# Altium PCB pcb_v1.PcbDoc (part 1 of 5) (continued)
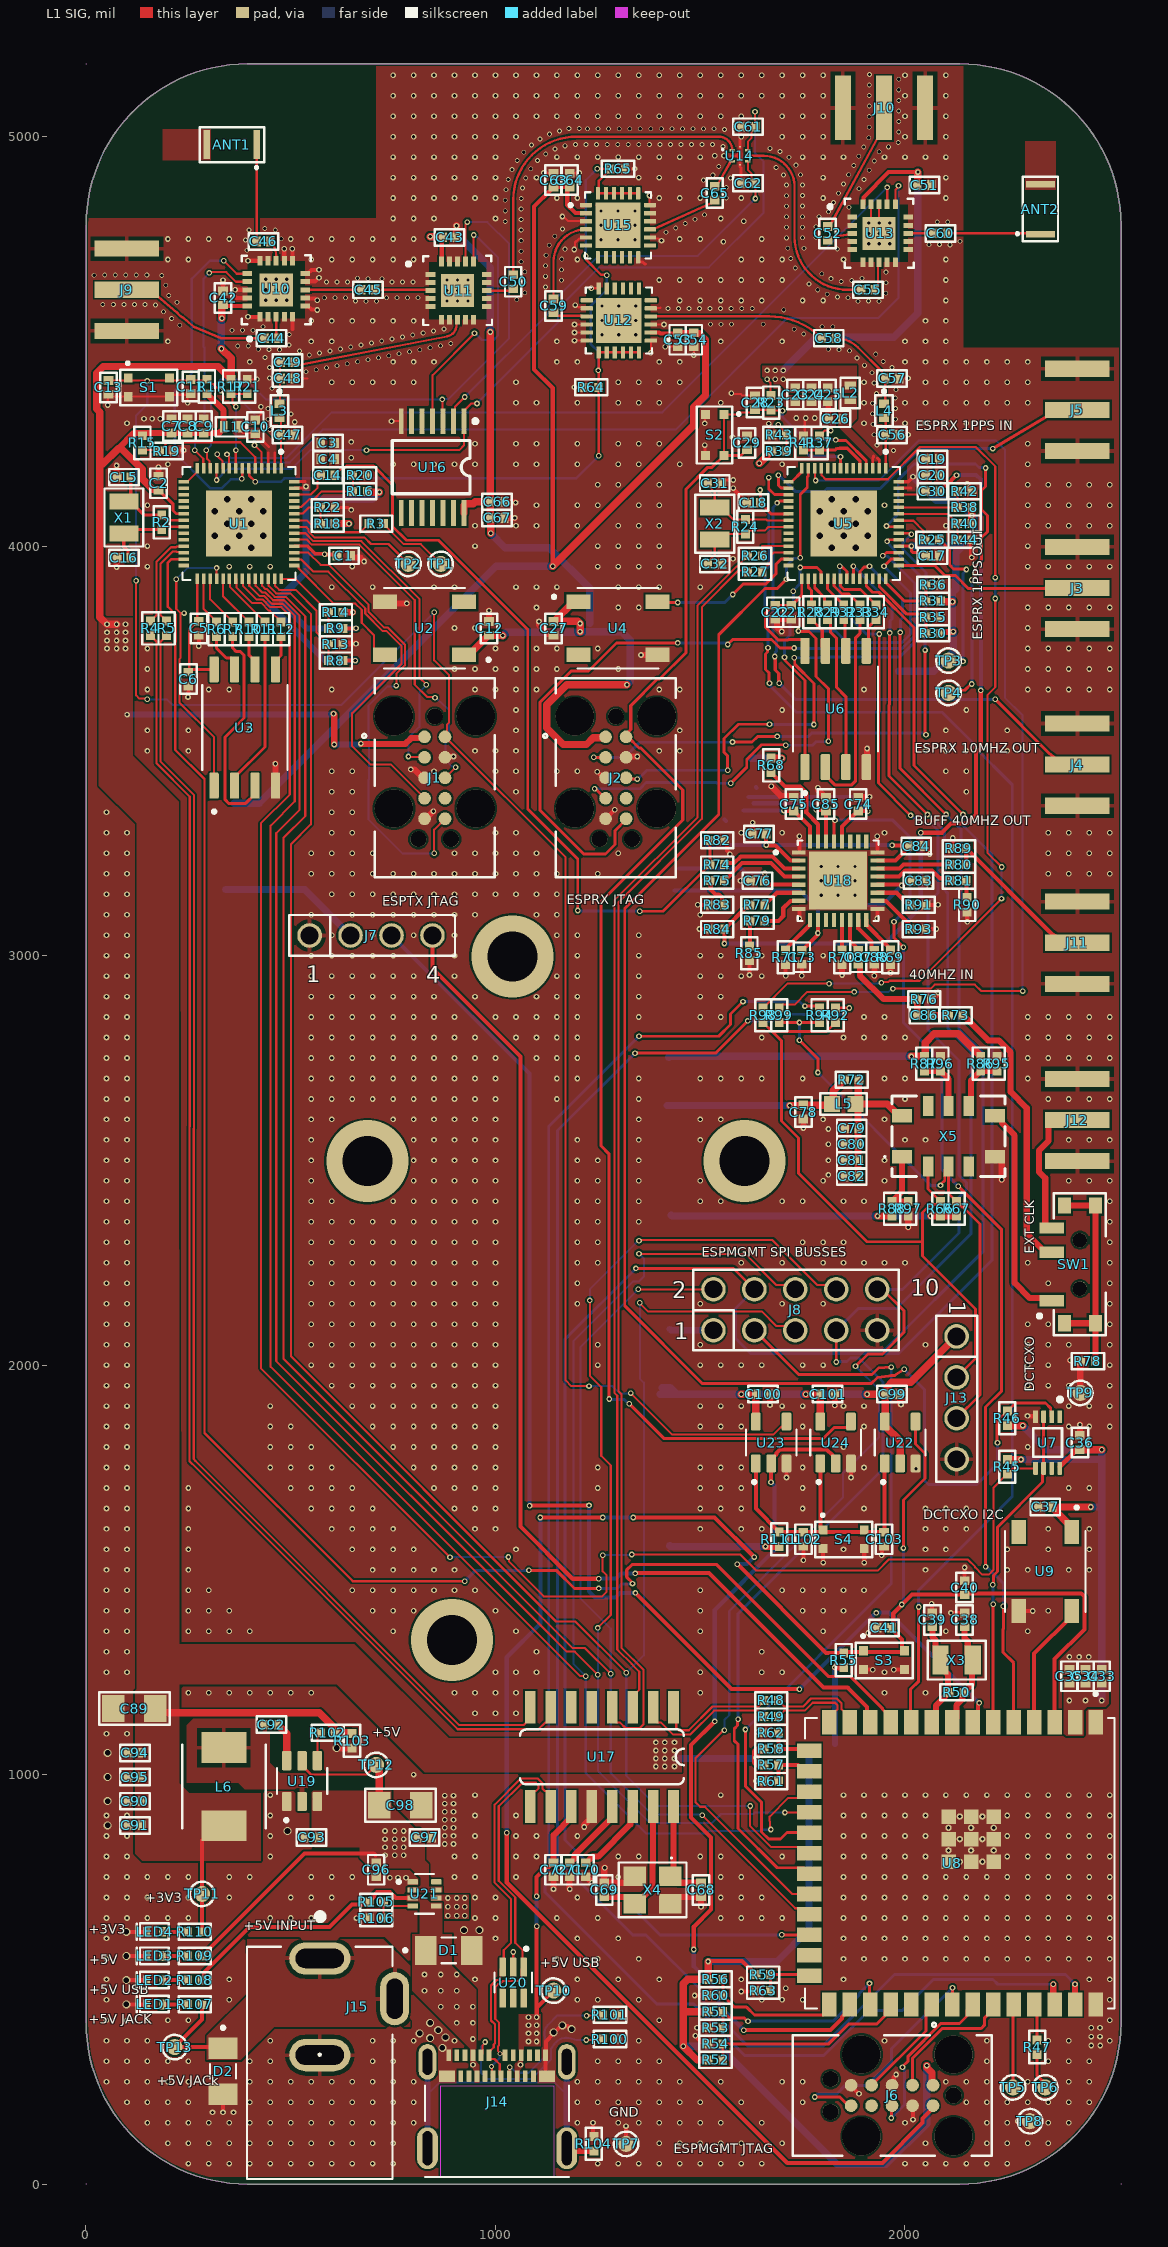
[diagram p0: L1 SIG view]
## Part data (continued)
C15 C16 C31 C32 C38 C39: library part CAP_CC0402JRNPO9BN220, "0402 22 pF 50 V ±5 % Tolerance NP0 SMT Multilayer Ceramic Capacitor", Case Code (Imperial)=0402, Case Code (Metric)=1005, Dielectric=C0G, Dielectric Material=Ceramic, Insulation Resistance=100GR, Manufacturer=Yageo, Manufacturer Part Number=CC0402JRNPO9BN220, Max Operating Temperature=125°C, Min Operating Temperature=-55°C, Package Quantity=1, Supplier Part Number 1=311-1018-1-ND, Temperature Coefficient=30ppm/°C, Tolerance=5%, Voltage=50V, Capacitance=22pF, Case/Package=0402, Category="Ceramic Capacitors", ComponentLink1Description=https://datasheet.ciiva.com/143/mlccorderingcode-143986.pdf?src-supplier=Digi-Key, ComponentLink1URL=https://datasheet.ciiva.com/143/mlccorderingcode-143986.pdf?src-supplier=Digi-Key, ComponentLink2Description=https://datasheet.ciiva.com/143/mlccorderingcode-143987.pdf?src-supplier=Digi-Key, ComponentLink2URL=https://datasheet.ciiva.com/143/mlccorderingcode-143987.pdf?src-supplier=Digi-Key, ComponentLink3Description=https://datasheet.ciiva.com/143/mlccorderingcode-143988.pdf?src-supplier=Digi-Key, ComponentLink3URL=https://datasheet.ciiva.com/143/mlccorderingcode-143988.pdf?src-supplier=Digi-Key, ComponentLink4Description=https://datasheet.ciiva.com/5789/1443161-5789509.pdf?src-supplier=Farnell, ComponentLink4URL=https://datasheet.ciiva.com/5789/1443161-5789509.pdf?src-supplier=Farnell, ComponentLink5Description=https://datasheet.ciiva.com/5425/upy-gp-np0-16v-to-50v-8-5425483.pdf?src-supplier=Mouser, ComponentLink5URL=https://datasheet.ciiva.com/5425/upy-gp-np0-16v-to-50v-8-5425483.pdf?src-supplier=Mouser, ComponentLink6Description=https://datasheet.ciiva.com/15189/getdatasheetpartid-370074-15189117.pdf?src-supplier=Verical, ComponentLink6URL=https://datasheet.ciiva.com/15189/getdatasheetpartid-370074-15189117.pdf?src-supplier=Verical, ComponentLink7Description=https://datasheet.ciiva.com/7656/1132289-7656615.pdf?src-supplier=Element14, ComponentLink7URL=https://datasheet.ciiva.com/7656/1132289-7656615.pdf?src-supplier=Element14, ComponentLink8Description=https://datasheet.ciiva.com/16625/upy-gp-np0-16v-to-50v-8-16625509.pdf?src-supplier=Avnet+Europe, ComponentLink8URL=https://datasheet.ciiva.com/16625/upy-gp-np0-16v-to-50v-8-16625509.pdf?src-supplier=Avnet+Europe, ComponentLink9Description=https://datasheet.ciiva.com/8033/1443161-8033605.pdf?src-supplier=Element14, ComponentLink9URL=https://datasheet.ciiva.com/8033/1443161-8033605.pdf?src-supplier=Element14, ComponentLink10Description=https://datasheet.ciiva.com/8033/1443161-8033606.pdf?src-supplier=Element14, ComponentLink10URL=https://datasheet.ciiva.com/8033/1443161-8033606.pdf?src-supplier=Element14, ComponentLink11Description=https://datasheet.ciiva.com/8033/1443161-8033607.pdf?src-supplier=Element14, ComponentLink11URL=https://datasheet.ciiva.com/8033/1443161-8033607.pdf?src-supplier=Element14, Depth=0.5mm, Height=0.5mm, Lead Free="Lead Free", Length=1mm, Mount="Surface Mount", Number of Pins=2, Packaging="Tape and Reel", Pricing 1="1=0.10000, 10=0.02200, 50=0.01180, 100=0.00960, 500=0.00688, 1000=0.00541, 2500=0.00492, 5000=0.00452 (USD)", Radiation Hardening=No, REACH SVHC="No SVHC", Resistor Type=Ceramic, RoHS=Yes, RoHS Compliant=Yes, Series=CC, Stock 1=1052, Supplier 1=Digi-Key, Termination=SMD/SMT, Thickness=0.022inch, Voltage Rating=50V, Voltage Rating (DC)=50V, Width=0.02inch
C44 C45 C46 C49 C50 C52 C55 C58 C59 C60 C65: library part CAP_CC0402JRNPO9BN101, "0402 100 pF 50 V ±5 % Tolerance NP0 SMT Multilayer Ceramic Capacitor", Case Code (Imperial)=0402, Case Code (Metric)=1005, Dielectric=C0G, Dielectric Material=Ceramic, Insulation Resistance=100GR, Manufacturer=Yageo, Manufacturer Part Number=CC0402JRNPO9BN101, Max Operating Temperature=125°C, Min Operating Temperature=-55°C, Package Quantity=1, Supplier Part Number 1=311-1024-1-ND, Temperature Coefficient=30ppm/°C, Tolerance=5%, Voltage=50V, Case/Package=0402, Category="Ceramic Capacitors", ComponentLink1Description=https://datasheet.ciiva.com/23767/25787-23767888.pdf?src-supplier=Newark, ComponentLink1URL=https://datasheet.ciiva.com/23767/25787-23767888.pdf?src-supplier=Newark, ComponentLink2Description=https://datasheet.ciiva.com/11786/0900766b80d84fbf-11786101.pdf?src-supplier=Rs, ComponentLink2URL=https://datasheet.ciiva.com/11786/0900766b80d84fbf-11786101.pdf?src-supplier=Rs, ComponentLink3Description=https://datasheet.ciiva.com/28450/1443161-28450220.pdf?src-supplier=Element14, ComponentLink3URL=https://datasheet.ciiva.com/28450/1443161-28450220.pdf?src-supplier=Element14, ComponentLink4Description=https://datasheet.ciiva.com/8033/1443161-8033598.pdf?src-supplier=Element14, ComponentLink4URL=https://datasheet.ciiva.com/8033/1443161-8033598.pdf?src-supplier=Element14, ComponentLink5Description=https://datasheet.ciiva.com/143/mlccorderingcode-143990.pdf?src-supplier=Digi-Key, ComponentLink5URL=https://datasheet.ciiva.com/143/mlccorderingcode-143990.pdf?src-supplier=Digi-Key, ComponentLink6Description=https://datasheet.ciiva.com/143/mlccorderingcode-143989.pdf?src-supplier=Digi-Key, ComponentLink6URL=https://datasheet.ciiva.com/143/mlccorderingcode-143989.pdf?src-supplier=Digi-Key, ComponentLink7Description=https://datasheet.ciiva.com/143/mlccorderingcode-143991.pdf?src-supplier=Digi-Key, ComponentLink7URL=https://datasheet.ciiva.com/143/mlccorderingcode-143991.pdf?src-supplier=Digi-Key, Depth=0.5mm, Height=0.5mm, Lead Free="Lead Free", Length=1mm, Mounting Technology="Surface Mount", Packaging="Tape and Reel", Pins=2, Pricing 1="1=0.1, 10=0.017, 50=0.0096, 100=0.0078, 500=0.00554, 1000=0.00436, 2500=0.00396, 5000=0.00365 (USD)", Radiation Hardening=No, Reach SVHC Compliant=No, RoHS=Yes, RoHS Compliant=Yes, Series=CC, Stock 1=12718535, Supplier 1=Digi-Key, Termination=SMD/SMT, Thickness=0.022inch, Voltage Rating=50V, Voltage Rating (DC)=50V, Width=0.02inch
C47 C56: library part CAP_GJM1555C1H9R0WB01D, "Cap Ceramic 9pF 50V C0G 0.05pF SMD 0402 125°C Paper T/R", Case Code (Imperial)=0402, Case Code (Metric)=1005, Dielectric=C0G, Manufacturer=Murata, Manufacturer Part Number=GJM1555C1H9R0WB01D, Max Operating Temperature=125°C, Min Operating Temperature=-55°C, Package Quantity=10000, Supplier Part Number 1=490-11242-1-ND, Voltage Rating=50V, Case/Package=0402, Category="Ceramic Capacitors", ComponentLink1Description=https://datasheet.ciiva.com/169/product-169670.pdf?src-supplier=Digi-Key, ComponentLink1URL=https://datasheet.ciiva.com/169/product-169670.pdf?src-supplier=Digi-Key, ComponentLink2Description=https://datasheet.ciiva.com/11609/product-11609469.pdf?src-supplier=Avnet, ComponentLink2URL=https://datasheet.ciiva.com/11609/product-11609469.pdf?src-supplier=Avnet, Construction=Flat, Depth=0.5mm, Height=0.5mm, Length=1mm, Mounting Technology="Surface Mount", Packaging="Tape and Reel", Pricing 1="1=0.19, 10=0.131, 50=0.0786, 100=0.0664, 500=0.04542, 1000=0.04019, 2500=0.03844, 5000=0.03495 (USD)", Radiation Hardening=No, RoHS=Yes, RoHS Compliant=Yes, Series=GJM, Stock 1=62783, Supplier 1=Digi-Key, Termination=SMD/SMT, Thickness=0.022inch, Voltage Rating (DC)=50V, Width=0.02inch
C48 C57: library part CAP_CBR04C809B1GAC, "Cap Ceramic 8pF 100V C0G 0.1pF SMD 0402 125°C Punched Paper T/R", Case Code (Imperial)=0402, Case Code (Metric)=1005, Manufacturer=KEMET, Manufacturer Part Number=CBR04C809B1GAC, Max Operating Temperature=125°C, Min Operating Temperature=-55°C, Package Quantity=1, Supplier Part Number 1=399-8830-1-ND, Voltage Rating=100V, Case/Package=0402, Category="Ceramic Capacitors", ComponentLink1Description=https://datasheet.ciiva.com/6257/kem-c1030-cbr-smd-6257486.pdf?src-supplier=Digi-Key, ComponentLink1URL=https://datasheet.ciiva.com/6257/kem-c1030-cbr-smd-6257486.pdf?src-supplier=Digi-Key, Length=0.039inch, Mounting Technology="Surface Mount", Packaging="Cut Tape", Pricing 1="1=0.31, 10=0.214, 50=0.1426, 100=0.1212, 500=0.08556, 1000=0.07487, 2500=0.0713, 5000=0.06596 (USD)", RoHS=Yes, RoHS Compliant=Yes, Series=CBR, Stock 1=120216, Supplier 1=Digi-Key, Thickness=0.022inch, Voltage Rating (DC)=100V, Width=0.02inch
C61 C62: library part CAP_CL05C330JB5NNNC, "Ceramic capacitor SMD-0402 33pF /50V C0G# J +-5%, Samsung, RoHS", Case Code (Imperial)=0402, Case Code (Metric)=1005, Dielectric=C0G, Manufacturer=Samsung, Manufacturer Part Number=CL05C330JB5NNNC, Max Operating Temperature=125°C, Min Operating Temperature=-55°C, Package Quantity=1, Supplier Part Number 1=1276-1272-1-ND, Temperature Coefficient=300ppm/°C, Tolerance=5%, Voltage=50V, Case/Package=0402, Category="Ceramic Capacitors", ComponentLink1Description=https://datasheet.ciiva.com/15195/getdatasheetpartid-355282-15195687.pdf?src-supplier=Verical, ComponentLink1URL=https://datasheet.ciiva.com/15195/getdatasheetpartid-355282-15195687.pdf?src-supplier=Verical, ComponentLink2Description=https://datasheet.ciiva.com/29198/458594-da-01-en-vs-kondensator-0402-29198402.pdf?src-supplier=Conrad, ComponentLink2URL=https://datasheet.ciiva.com/29198/458594-da-01-en-vs-kondensator-0402-29198402.pdf?src-supplier=Conrad, Construction=Flat, Depth=0.5mm, Height=0.5mm, Lead Free="Lead Free", Length=1mm, Material=Ceramic, Mounting Technology="Surface Mount", Packaging="Tape and Reel", Pricing 1="1=0.1, 10=0.023, 50=0.0126, 100=0.0102, 500=0.00732, 1000=0.00575, 2500=0.00523, 5000=0.00481 (USD)", Radiation Hardening=No, RoHS=Yes, RoHS Compliant=Yes, Series=CL, Stock 1=9061474, Supplier 1=Digi-Key, Thickness=0.022inch, Voltage Rating=50V, Voltage Rating (DC)=50V, Width=0.02inch
C68 C69: library part CAP_0402CG220J500NT, "MULTILAYER CERAMIC CAPACITORS MLCC - SMD/SMT 22PF 50V 0402 ROHS 0402CG220J500NT", LCSC Part#=C1555, MFR Part #=0402CG220J500NT, Datasheet=https://datasheet.lcsc.com/szlcsc/Guangdong-Fenghua-Advanced-Tech-0402CG220J500NT_C1555.pdf, Type=Basic
C82: library part CAP_LMK105BBJ475MVLF, "Multilayer Ceramic Capacitors MLCC - SMD/SMT 4.7uF 10V X5R +/-20% 0402 Gen Purp", Case Code (Imperial)=0402, Case Code (Metric)=1005, Dielectric=X5R, Manufacturer="Taiyo Yuden", Manufacturer Part Number=LMK105BBJ475MVLF, Max Operating Temperature=85°C, Min Operating Temperature=-55°C, Package Quantity=10000, Resistor Type=Ceramic, Supplier Part Number 1=587-3408-1-ND, Tolerance=20%, Voltage Rating=10V, Capacitance=4.7uF, Case/Package=0402, Category="Ceramic Capacitors", ComponentLink1Description=https://datasheet.ciiva.com/24462/423lmk105bbj475mvlf-24462535.pdf?src-supplier=Onlinecomponents.com, ComponentLink1URL=https://datasheet.ciiva.com/24462/423lmk105bbj475mvlf-24462535.pdf?src-supplier=Onlinecomponents.com, ComponentLink2Description=https://datasheet.ciiva.com/18697/mlcc-all-e-18697686.pdf?src-supplier=Digi-Key, ComponentLink2URL=https://datasheet.ciiva.com/18697/mlcc-all-e-18697686.pdf?src-supplier=Digi-Key, ComponentLink3Description=https://datasheet.ciiva.com/18697/mlcc-all-e-18697685.pdf?src-supplier=Digi-Key, ComponentLink3URL=https://datasheet.ciiva.com/18697/mlcc-all-e-18697685.pdf?src-supplier=Digi-Key, Halogen Free="Halogen Free", Height=0.5mm, Length=1mm, Mount="Surface Mount", Packaging="Tape and Reel", Pricing 1="1=0.21000, 10=0.14400, 50=0.08640, 100=0.07300, 500=0.04994, 1000=0.04417, 2500=0.04225, 5000=0.03841 (USD)", RoHS=Yes, RoHS Compliant=Yes, Supplier 1=Digi-Key, Termination=SMD/SMT, Thickness=0.022inch, Voltage Rating (DC)=10V, Weight=2.3E-05oz, Width=0.02inch
C89 C98: library part CAP_GRM21BR60J107ME15L, "0805 100 uF 6.3 V ±20% Tolerance X5R Multilayer Ceramic Chip Capacitor", Case Code (Imperial)=0805, Case Code (Metric)=2012, Dielectric=X5R, Manufacturer=Murata, Manufacturer Part Number=GRM21BR60J107ME15L, Max Operating Temperature=85°C, Min Operating Temperature=-55°C, Supplier Part Number 1=490-13981-1-ND, Tolerance=20%, Voltage Rating=6.3V, Case/Package=0805, Category="Ceramic Capacitors", ComponentLink1Description=http://www.farnell.com/datasheets/1957830.pdf?src-supplier=Farnell, ComponentLink1URL=http://www.farnell.com/datasheets/1957830.pdf?src-supplier=Farnell, ComponentLink2Description=http://www.farnell.com/datasheets/1957830.pdf?src-supplier=Element14, ComponentLink2URL=http://www.farnell.com/datasheets/1957830.pdf?src-supplier=Element14, ComponentLink3Description=https://search.murata.co.jp/Ceramy/image/img/A01X/G101/ENG/GRM21BR60J107ME15-01.pdf?src-supplier=Digi-Key, ComponentLink3URL=https://search.murata.co.jp/Ceramy/image/img/A01X/G101/ENG/GRM21BR60J107ME15-01.pdf?src-supplier=Digi-Key, ComponentLink4Description=http://www.farnell.com/datasheets/1957830.pdf?src-supplier=Newark, ComponentLink4URL=http://www.farnell.com/datasheets/1957830.pdf?src-supplier=Newark, Lead Free="Lead Free", Length=0.079inch, Mounting Technology="Surface Mount", Packaging="Cut Tape", Pricing 1="1=1.15000, 10=0.90900, 50=0.78800, 100=0.68180, 500=0.51516, 1000=0.45456 (USD)", Reach SVHC Compliant=Yes, RoHS=Yes, RoHS Compliant=Yes, Series=GRM, Stock 1=569112, Supplier 1=Digi-Key, Thickness=0.057inch, Voltage Rating (DC)=6.3V, Width=0.049inch
C94 C95: library part CAP_GRM158R61A226ME15D, "General Up to 85C Reflow soldering", Manufacturer=Murata, Manufacturer Part Number=GRM158R61A226ME15D, Supplier Part Number 1=490-GRM158R61A226ME15DCT-ND, Category="Ceramic Capacitors", Pricing 1="1=0.48000, 10=0.33200, 50=0.23260, 100=0.19940, 500=0.14954, 1000=0.12627, 2500=0.11962 (USD)", RoHS=Yes, Stock 1=10275, Supplier 1=Digi-Key
D1 D2: library part D_BZT52C5V1_RHG, "Vz=5.1V 4.8V~5.4V Izt=5mA", Forward Voltage=900mV, Manufacturer=Diodes, Manufacturer Part Number=BZT52C5V1-7-F, Max Operating Temperature=150°C, Max Power Dissipation=500mW, Max Reverse Current=2uA, Min Operating Temperature=-65°C, Output Current=50mA, Package="SOD-123F Taiwan Semiconductor", Package Quantity=3000, Supplier Part Number 1=C151588, Test Current=5mA, Tolerance=6%, Voltage Rating (DC)=5.1V, Availability="In Stock", Category="Zener Diodes", Check_prices=https://www.snapeda.com/parts/BZT52C5V1%20RHG/Taiwan+Semiconductor/view-part/?ref=eda, ComponentLink1Description=https://datasheet.ciiva.com/15142/getdatasheetpartid-75143-15142417.pdf?src-supplier=Verical, ComponentLink1URL=https://datasheet.ciiva.com/15142/getdatasheetpartid-75143-15142417.pdf?src-supplier=Verical, ComponentLink2Description=https://datasheet.ciiva.com/4734/ds18004-73542-4734246.pdf?src-supplier=Mouser, ComponentLink2URL=https://datasheet.ciiva.com/4734/ds18004-73542-4734246.pdf?src-supplier=Mouser, ComponentLink3Description=https://datasheet.ciiva.com/22713/1670962-22713975.pdf?src-supplier=Element14, ComponentLink3URL=https://datasheet.ciiva.com/22713/1670962-22713975.pdf?src-supplier=Element14, Height=1.35mm, Impedance=60R, Lead Free="Lead Free", Length=2.85mm, Max Reverse Leakage Current=2uA, MF="Taiwan Semiconductor", Mounting Technology="Surface Mount", MP="BZT52C5V1 RHG", Packaging="Tape and Reel", Pins=2, Power Dissipation=500mW, Power Rating=500mW, Price=None, Pricing 1="20=0.0177, 200=0.0158, 600=0.0154, 3000=0.0137 (USD)", Purchase-URL="https://pricing.snapeda.com/search/part/BZT52C5V1 RHG/?ref=eda", Radiation Hardening=No, Reach SVHC Compliant=No, RoHS=Yes, RoHS Compliant=Yes, Series=-, SnapEDA_Link=https://www.snapeda.com/parts/BZT52C5V1%20RHG/Taiwan+Semiconductor/view-part/?ref=snap, Stock 1=13380, Supplier 1=LCSC, Termination=SMD/SMT, Voltage Tolerance=6%, Weight=0.000353oz, Width=1.7mm, Working Voltage=5.1V, Zener Current=5mA, Zener Voltage=5.1V
J1 J2 J6: "Cbl Plug-Of-Nails 10-Pin w/Legs", Package=None, Availability=Unavailable, MF="{'manufacturer': u'Tag-Connect LLC'}", MP=TC2050-IDC, Price=None
J3 J4 J5 J9 J10 J11 J12: library part CONN_BWSMA-KE-P001, "0-12.4GHz 50Ω 335V 直插偏脚", Manufacturer="BAT Wireless", Supplier Part Number 1=C496550, Manufacturer Part Number=BWSMA-KE-P001, Pricing 1="1=0.3453, 10=0.2721, 30=0.2355, 100=0.2037, 500=0.1957, 1000=0.1894 (USD)", RoHS=No, Stock 1=21382, Supplier 1=LCSC
J7: library part CONN_4_PIN_FEMALE, "4 Position Header Connector 0.100\" (2.54mm) Through Hole Tin", LCSC Part#=DNP, Digikey Link=https://www.digikey.com/product-detail/en/PPTC061LFBN-RC/S7004-ND/810145/?itemSeq=304982353, Digikey Part=S7004-ND
J8: library part CONN_10_PIN_MALE_PZ254V-12-10P, "双排排针 间距2.54mm 10pin 直插", Manufacturer=XFCN, Supplier Part Number 1=C492422, Manufacturer Part Number=PZ254V-12-10P, Pricing 1="10=0.0491, 100=0.0405, 300=0.0362, 1000=0.0308, 5000=0.0283, 10000=0.027 (USD)", RoHS=No, Stock 1=26650, Supplier 1=LCSC
J13: library part CONN_4_PIN_MALE_PZ254V-11-04P, "单排排针 间距2.54mm 4pin 直插", Manufacturer=XFCN, Supplier Part Number 1=C2691448, Manufacturer Part Number=PZ254V-11-04P, Pricing 1="20=0.0196, 200=0.0157, 1000=0.0125, 2000=0.0112, 10000=0.01, 20000=0.0095 (USD)", RoHS=No, Stock 1=101260, Supplier 1=LCSC
J14: library part CONN_105450-0101, "USB-C (USB TYPE-C) USB 3.2 Gen 2 (USB 3.1 Gen 2, Superspeed + (USB 3.1)) Receptacle Connector 24 Position Surface Mount, Right Angle; Through Hole", Package=None, Availability="In Stock", Check_prices=https://www.snapeda.com/parts/105450-0101/Molex/view-part/?ref=eda, MF=Molex, MP=105450-0101, Price=None, Purchase-URL=https://pricing.snapeda.com/search/part/105450-0101/?ref=eda, SnapEDA_Link=https://www.snapeda.com/parts/105450-0101/Molex/view-part/?ref=snap
J15: library part CONN_DC-005-20A, "Power Barrel Connector Jack 2.10mm ID (0.083\"), 5.50mm OD (0.217\") Through Hole, Right Angle", LCSC Part#=C136744, Digikey Link=https://www.digikey.com/product-detail/en/PJ-102A/CP-102A-ND/275425/?itemSeq=304982367, Digikey Part=CP-102A-ND, Type=Extended
L1 L2: library part IND_MHQ1005P2N0STD25, "FIXED IND 2NH 1A 50 MOHM SMD", Package=None, Availability=Unavailable, MF="{'manufacturer': u'TDK'}", MP=MHQ1005P2N0STD25, Price=None
L3 L4: library part L_LQG15HS1N0S02D, "Inductor RF Chip Multi-Layer 1nH 0.3nH 100MHz 8Q-Factor Air 1A 70mOhm DCR 0402 T/R", Case Code (Imperial)=0402, Case Code (Metric)=1005, Current Rating=300mA, DC Resistance (DCR)=70mR, Manufacturer=Murata, Manufacturer Part Number=LQG15HS1N0S02D, Max Operating Temperature=125°C, Min Operating Temperature=-55°C, Package Quantity=1, Self Resonant Frequency=10GHz, Supplier Part Number 1=C18222, Test Frequency=100MHz, Case/Package=0402, Category="Fixed Inductors", ComponentLink1Description=https://datasheet.ciiva.com/27054/1864353-27054316.pdf?src-supplier=Jameco, ComponentLink1URL=https://datasheet.ciiva.com/27054/1864353-27054316.pdf?src-supplier=Jameco, ComponentLink2Description=https://datasheet.ciiva.com/1038/l0075s0083lqg15hs-1038134.pdf?src-supplier=Digi-Key, ComponentLink2URL=https://datasheet.ciiva.com/1038/l0075s0083lqg15hs-1038134.pdf?src-supplier=Digi-Key, ComponentLink3Description=https://datasheet.ciiva.com/1038/l0075s0083lqg15hs-1038133.pdf?src-supplier=Digi-Key, ComponentLink3URL=https://datasheet.ciiva.com/1038/l0075s0083lqg15hs-1038133.pdf?src-supplier=Digi-Key, ComponentLink4Description=https://datasheet.ciiva.com/1038/l0075s0083lqg15hs-1038135.pdf?src-supplier=Digi-Key, ComponentLink4URL=https://datasheet.ciiva.com/1038/l0075s0083lqg15hs-1038135.pdf?src-supplier=Digi-Key, ComponentLink5Description=https://datasheet.ciiva.com/4979/o05e-4979757.pdf?src-supplier=Mouser, ComponentLink5URL=https://datasheet.ciiva.com/4979/o05e-4979757.pdf?src-supplier=Mouser, ComponentLink6Description=https://datasheet.ciiva.com/3082/l0075s0083lqg15hs-3082177.pdf?src-supplier=Avnet, ComponentLink6URL=https://datasheet.ciiva.com/3082/l0075s0083lqg15hs-3082177.pdf?src-supplier=Avnet, Core Material=Air, DC Current=300mA, Depth=0.55mm, Height=0.5mm, Height - Seated (Max)=0.022inch, Lead Free="Lead Free", Length=1mm, Max Current Rating=300mA, Max DC Current=300mA, Military Standard=Not, Mounting Technology="Surface Mount", Packaging="Tape and Reel", Pricing 1="100=0.0076, 1000=0.0064, 3000=0.0057, 10000=0.004, 50000=0.0036, 100000=0.0035 (USD)", Q Factor=8, Radiation Hardening=No, RoHS=Yes, RoHS Compliant=Yes, Series=LQG15HS, Shielding=Unshielded, Stock 1=12000, Supplier 1=LCSC, Termination=SMD/SMT, Width=0.02inch
L5: library part L_LQM18DN100M70L, "Inductor, 10Uh, 0.3A, Multilayer Rohs Compliant: Yes", Manufacturer=Murata, Manufacturer Part Number=LQM18DN100M70L, Supplier Part Number 1=490-LQM18DN100M70LCT-ND, Category="Fixed Inductors", Pricing 1="1=0.12000, 10=0.10500, 25=0.09280, 50=0.07900, 100=0.06970, 250=0.06388, 500=0.05808, 1000=0.04878 (USD)", RoHS=Yes, Stock 1=236207, Supplier 1=Digi-Key
L6: library part L_IHLP2020CZER3R3M01, "Inductor Power Shielded Wirewound 3.3uH 20% 100KHz Powdered Iron 5A 54.7mOhm DCR 2020 T/R", Case/Package=2020, DC Resistance (DCR)=54.7mR, Inductance Tolerance=20%, Manufacturer="Vishay Dale", Manufacturer Part Number=IHLP2020CZER3R3M01, Max Current Rating=5A, Max DC Current=8.5A, Max Operating Temperature=125°C, Min Operating Temperature=-55°C, Self Resonant Frequency=31MHz, Supplier Part Number 1=C553993, Test Frequency=100kHz, Category="Fixed Inductors", ComponentLink1Description=https://datasheet.ciiva.com/1051/lp20cz01-1051660.pdf?src-supplier=Digi-Key, ComponentLink1URL=https://datasheet.ciiva.com/1051/lp20cz01-1051660.pdf?src-supplier=Digi-Key, ComponentLink2Description=https://datasheet.ciiva.com/1051/lp20cz01-1051661.pdf?src-supplier=Digi-Key, ComponentLink2URL=https://datasheet.ciiva.com/1051/lp20cz01-1051661.pdf?src-supplier=Digi-Key, ComponentLink3Description=https://datasheet.ciiva.com/1051/lp20cz01-1051662.pdf?src-supplier=Digi-Key, ComponentLink3URL=https://datasheet.ciiva.com/1051/lp20cz01-1051662.pdf?src-supplier=Digi-Key, ComponentLink4Description=https://datasheet.ciiva.com/8494/lp20cz01-8494984.pdf?src-supplier=Avnet, ComponentLink4URL=https://datasheet.ciiva.com/8494/lp20cz01-8494984.pdf?src-supplier=Avnet, ComponentLink5Description=https://datasheet.ciiva.com/16390/lp20cz01-16390407.pdf?src-supplier=Future+Electronics, ComponentLink5URL=https://datasheet.ciiva.com/16390/lp20cz01-16390407.pdf?src-supplier=Future+Electronics, Core Material=Metal,Composite, Depth=5.43mm, Height=3mm, Lead Free="Lead Free", Length=5.49mm, Military Standard=Not, Mounting Technology="Surface Mount", Packaging="Tape and Reel", Pricing 1="1=0.6237, 10=0.5537, 30=0.5426, 100=0.471 (USD)", Radiation Hardening=No, Reach SVHC Compliant=Unknown, RMS Current (Irms)=5A, RoHS=Yes, RoHS Compliant=Yes, Saturation Current=8.5A, Series=IHLP-2020CZ-01, Shielding=Shielded, Stock 1=3402, Supplier 1=LCSC, Termination=SMD/SMT, Tolerance=20%, Width=5.18mm
LED1 LED2 LED3 LED4: "LED Uni-Color Green 575nm 2-Pin Chip 0402(1006Metric) T/R", Case Code (Imperial)=0402, Case Code (Metric)=1005, Color=Green, Forward Voltage=1.9V, Lens Color=Colorless, Manufacturer=Bivar, Manufacturer Part Number=SM0402GC, Supplier Part Number 1=492-2205-1-ND, Test Current=20mA, Case/Package=0402, Category=LEDs, ComponentLink1Description=https://www.bivar.com/portals/0/products/SM0402GC.pdf?src-supplier=Digi-Key, ComponentLink1URL=https://www.bivar.com/portals/0/products/SM0402GC.pdf?src-supplier=Digi-Key, ComponentLink2Description=https://www.bivar.com/parts_content/Datasheets/SM0402GC.pdf?src-supplier=Digi-Key, ComponentLink2URL=https://www.bivar.com/parts_content/Datasheets/SM0402GC.pdf?src-supplier=Digi-Key, Dominant Wavelength=572nm, Height=0.71mm, Length=1mm, Lens Size=1mm, Lens Style=Flat, Lens Transparency=Clear, Luminous Intensity=28.5mcd, Mounting Technology="Surface Mount", Packaging="Tape and Reel", Pricing 1="1=0.62000, 10=0.40800, 100=0.27020, 1000=0.20860, 2000=0.18849 (USD)", RoHS=Yes, RoHS Compliant=Yes, Stock 1=128369, Supplier 1=Digi-Key, Viewing Angle=130°, Width=0.5mm
R1 R23 R45 R46 R55 R64 R65 R68 R69 R70 R71 R103 R105 R106 R107 R108 R109 R110 R111: library part RES_AC0402FR-0710KL, "RES SMD 10K OHM 1% 1/16W 0402", Case Code (Imperial)=0402, Case Code (Metric)=1005, Manufacturer=Yageo, Manufacturer Part Number=AC0402FR-0710KL, Max Operating Temperature=155°C, Max Power Dissipation=63mW, Min Operating Temperature=-55°C, Power Rating=62.5mW, Resistance=10kR, Resistor Type="Thick Film", Supplier Part Number 1=YAG3436CT-ND, Temperature Coefficient=100ppm/°C, Tolerance=1%, Voltage Rating=50V, Case/Package=0402, Category="Chip SMD Resistors", ComponentLink1Description=https://datasheet.ciiva.com/12656/pyu-ac-51-rohs-l-2-12656634.pdf?src-supplier=Mouser, ComponentLink1URL=https://datasheet.ciiva.com/12656/pyu-ac-51-rohs-l-2-12656634.pdf?src-supplier=Mouser, Construction=Rectangular, Depth=0.5mm, Features="Moisture Resistant,Automotive AEC-Q200", Height=0.015inch, Lead Free="Lead Free", Length=0.039inch, Military Standard=Not, Number of Terminations=2, Packaging="Tape and Reel", Pricing 1="1=0.10000, 10=0.02200, 100=0.00900, 1000=0.00402, 2500=0.00349, 5000=0.00288 (USD)", RoHS=Yes, RoHS Compliant=Yes, Series=AC, Size Code=0402, Stock 1=2860, Supplier 1=Digi-Key, Termination=SMD/SMT, Width=0.02inch
R2 R24 R50: library part RES_CRGCQ0402J10M, "Res Thick Film 0402 10M Ohm 5% 0.063W(1/16W) ±100ppm/C Pad SMD Automotive T/R", Case/Package=0402, Manufacturer="TE Connectivity", Manufacturer Part Number=CRGCQ0402J10M, Max Operating Temperature=155°C, Max Power Dissipation=63mW, Min Operating Temperature=-55°C, Ratings=AEC-Q200, Supplier Part Number 1=A130072CT-ND, Temperature Coefficient=100ppm/°C, Tolerance=5%, Category="Chip SMD Resistors", ComponentLink1Description=https://www.te.com/commerce/DocumentDelivery/DDEController?Action=srchrtrv&amp;DocNm=1773204-3&amp;DocType=DS&amp;DocLang=English&src-supplier=Digi-Key, ComponentLink1URL=https://www.te.com/commerce/DocumentDelivery/DDEController?Action=srchrtrv&amp;DocNm=1773204-3&amp;DocType=DS&amp;DocLang=English&src-supplier=Digi-Key, Features="Moisture Resistant,Automotive AEC-Q200", Number of Terminations=2, Pricing 1="1=0.1, 10=0.018, 50=0.01, 100=0.0073, 500=0.00448, 1000=0.00329, 5000=0.00236 (USD)", RoHS=Yes, RoHS Compliant=Yes, Series=CRGCQ, Stock 1=23325092, Supplier 1=Digi-Key
R3 R25 R47: library part RES_RC0402FR-07499RL, "Res General Purpose Thick Film 0402 499 Ohm 1% 1/16W ±100ppm/°C Molded SMD Paper T/R", Case Code (Imperial)=0402, Case Code (Metric)=1005, Manufacturer=Yageo, Manufacturer Part Number=RC0402FR-07499RL, Max Operating Temperature=155°C, Max Power Dissipation=63mW, Min Operating Temperature=-55°C, Package Quantity=1, Power Rating=62.5mW, Resistance Tolerance=1%, Resistor Type="Thick Film", Supplier Part Number 1=311-499LRCT-ND, Temperature Coefficient=100ppm/°C, Voltage Rating=50V, Case/Package=0402, Category="Chip SMD Resistors", ComponentLink1Description=https://datasheet.ciiva.com/2453/pyu-r-int-thick-7-2453539.pdf?src-supplier=Digi-Key, ComponentLink1URL=https://datasheet.ciiva.com/2453/pyu-r-int-thick-7-2453539.pdf?src-supplier=Digi-Key, ComponentLink2Description=https://datasheet.ciiva.com/2453/pyu-r-int-thick-7-2453540.pdf?src-supplier=Digi-Key, ComponentLink2URL=https://datasheet.ciiva.com/2453/pyu-r-int-thick-7-2453540.pdf?src-supplier=Digi-Key, ComponentLink3Description=https://datasheet.ciiva.com/2453/pyu-r-int-thick-7-2453538.pdf?src-supplier=Digi-Key, ComponentLink3URL=https://datasheet.ciiva.com/2453/pyu-r-int-thick-7-2453538.pdf?src-supplier=Digi-Key, Construction=Rectangular, Depth=0.5mm, Features="Moisture Resistant", Height=0.016inch, Lead Free="Lead Free", Length=0.039inch, Military Standard=Not, Number of Terminations=2, Packaging="Tape and Reel", Pricing 1="1=0.1, 10=0.015, 50=0.009, 100=0.0074, 500=0.00492, 1000=0.00421, 5000=0.003 (USD)", Reach SVHC Compliant=No, RoHS=Yes, RoHS Compliant=Yes, Series=RC, Stock 1=3392494, Supplier 1=Digi-Key, Termination=SMD/SMT, Tolerance=1%, Voltage Rating (DC)=50V, Width=0.02inch
R4 R5 R6 R7 R10 R11 R12 R26 R27 R28 R29 R32 R33 R34 R48 R49 R73 R74 R75 R77 R78 R79 R80 R81 R92 R94 R98 R99 R104: library part RES_RC0402JR-070RL, "RES SMD 0 OHM JUMPER 1/16W 0402", Case Code (Imperial)=0402, Case Code (Metric)=1005, Manufacturer=Yageo, Manufacturer Part Number=RC0402JR-070RL, Max Operating Temperature=155°C, Max Power Dissipation=63mW, Min Operating Temperature=-55°C, Package Quantity=1, Power Rating=62.5mW, Resistance Tolerance=5%, Resistor Type="Thick Film", Supplier Part Number 1=311-0.0JRCT-ND, Temperature Coefficient=200ppm/°C, Voltage Rating=50V, Case/Package=0402, Category="Chip SMD Resistors", ComponentLink1Description=https://datasheet.ciiva.com/2452/pyu-rc0402-51-rohs-l-6-2452608.pdf?src-supplier=Digi-Key, ComponentLink1URL=https://datasheet.ciiva.com/2452/pyu-rc0402-51-rohs-l-6-2452608.pdf?src-supplier=Digi-Key, ComponentLink2Description=https://datasheet.ciiva.com/7983/1018594-7983535.pdf?src-supplier=Element14, ComponentLink2URL=https://datasheet.ciiva.com/7983/1018594-7983535.pdf?src-supplier=Element14, ComponentLink3Description=https://datasheet.ciiva.com/22747/1018594-22747515.pdf?src-supplier=Element14, ComponentLink3URL=https://datasheet.ciiva.com/22747/1018594-22747515.pdf?src-supplier=Element14, ComponentLink4Description=https://datasheet.ciiva.com/2452/pyu-r-int-thick-7-2452609.pdf?src-supplier=Digi-Key, ComponentLink4URL=https://datasheet.ciiva.com/2452/pyu-r-int-thick-7-2452609.pdf?src-supplier=Digi-Key, ComponentLink5Description=https://datasheet.ciiva.com/2452/pyu-r-int-thick-7-2452610.pdf?src-supplier=Digi-Key, ComponentLink5URL=https://datasheet.ciiva.com/2452/pyu-r-int-thick-7-2452610.pdf?src-supplier=Digi-Key, ComponentLink6Description=https://datasheet.ciiva.com/8896/pyu-rc0402-51-rohs-l-6-8896201.pdf?src-supplier=Avnet, ComponentLink6URL=https://datasheet.ciiva.com/8896/pyu-rc0402-51-rohs-l-6-8896201.pdf?src-supplier=Avnet, ComponentLink7Description=https://datasheet.ciiva.com/15189/getdatasheetpartid-326379-15189533.pdf?src-supplier=Verical, ComponentLink7URL=https://datasheet.ciiva.com/15189/getdatasheetpartid-326379-15189533.pdf?src-supplier=Verical, Construction=Rectangular, Contact Plating=Tin,Matte, Depth=0.5mm, Features="Moisture Resistant", Height=0.016inch, Lead Free="Lead Free", Length=1mm, Military Standard=Not, Number of Terminations=2, Packaging="Tape and Reel", Pricing 1="1=0.10000, 10=0.01200, 25=0.00840, 50=0.00640, 100=0.00480, 250=0.00364, 500=0.00290, 1000=0.00214, 5000=0.00154 (USD)", Radiation Hardening=No, RoHS=Yes, RoHS Compliant=Yes, Series=RC, Stock 1=33185339, Supplier 1=Digi-Key, Technology="THICK FILM", Termination=SMD/SMT, Tolerance=5%, Width=0.02inch
R8 R9 R13 R14 R15 R16 R17 R18 R19 R20 R21 R22 R30 R31 R35 R36 R37 R38 R39 R40 R41 R42 R43 R44 R51 R52 R53 R54 R56 R57 R58 R59 R60 R61 R62 R63: library part RES_RC0402JR-071KL, "Res General Purpose Thick Film 0402 1K Ohm 5% 1/16W ±100ppm/°C Molded SMD Paper T/R", Case Code (Imperial)=0402, Case Code (Metric)=1005, Manufacturer=Yageo, Manufacturer Part Number=RC0402JR-071KL, Max Operating Temperature=155°C, Max Power Dissipation=63mW, Min Operating Temperature=-55°C, Package Quantity=1, Power Rating=62.5mW, Resistance=1kR, Resistance Tolerance=5%, Resistor Type="Thick Film", Supplier Part Number 1=311-1.0KJRCT-ND, Temperature Coefficient=100ppm/°C, Voltage Rating=50V, Case/Package=0402, Category="Chip SMD Resistors", ComponentLink1Description=https://datasheet.ciiva.com/2452/pyu-r-int-thick-7-2452755.pdf?src-supplier=Digi-Key, ComponentLink1URL=https://datasheet.ciiva.com/2452/pyu-r-int-thick-7-2452755.pdf?src-supplier=Digi-Key, ComponentLink2Description=https://datasheet.ciiva.com/2452/pyu-r-int-thick-7-2452756.pdf?src-supplier=Digi-Key, ComponentLink2URL=https://datasheet.ciiva.com/2452/pyu-r-int-thick-7-2452756.pdf?src-supplier=Digi-Key, ComponentLink3Description=https://datasheet.ciiva.com/2452/pyu-r-int-thick-7-2452757.pdf?src-supplier=Digi-Key, ComponentLink3URL=https://datasheet.ciiva.com/2452/pyu-r-int-thick-7-2452757.pdf?src-supplier=Digi-Key, ComponentLink4Description=https://datasheet.ciiva.com/17081/pyu-rc0402-51-rohs-l-6-r-17081438.pdf?src-supplier=Future+Electronics, ComponentLink4URL=https://datasheet.ciiva.com/17081/pyu-rc0402-51-rohs-l-6-r-17081438.pdf?src-supplier=Future+Electronics, ComponentLink5Description=https://datasheet.ciiva.com/7850/1018594-7850170.pdf?src-supplier=Element14, ComponentLink5URL=https://datasheet.ciiva.com/7850/1018594-7850170.pdf?src-supplier=Element14, ComponentLink6Description=https://datasheet.ciiva.com/7850/1018594-7850171.pdf?src-supplier=Element14, ComponentLink6URL=https://datasheet.ciiva.com/7850/1018594-7850171.pdf?src-supplier=Element14, ComponentLink7Description=https://datasheet.ciiva.com/7983/1018594-7983558.pdf?src-supplier=Element14, ComponentLink7URL=https://datasheet.ciiva.com/7983/1018594-7983558.pdf?src-supplier=Element14, Construction=Rectangular, Depth=0.5mm, Features="Moisture Resistant", Height=0.016inch, Lead Free="Lead Free", Length=0.039inch, Military Standard=Not, Number of Terminations=2, Packaging="Tape and Reel", Pricing 1="1=0.10000, 10=0.01300, 100=0.00540, 1000=0.00244, 2500=0.00212, 5000=0.00175 (USD)", REACH SVHC="No SVHC", RoHS=Yes, RoHS Compliant=Yes, Series=RC, Size Code=0402, Stock 1=1442131, Supplier 1=Digi-Key, Termination=SMD/SMT, Tolerance=5%, Width=0.02inch
R66 R67: library part RES_RC0402JR-074K7L, "Res General Purpose Thick Film 0402 4.7K Ohm 5% 1/16W ±100ppm/°C Molded SMD Paper T/R", Case Code (Imperial)=0402, Case Code (Metric)=1005, Manufacturer=Yageo, Manufacturer Part Number=RC0402JR-074K7L, Max Operating Temperature=155°C, Max Power Dissipation=63mW, Min Operating Temperature=-55°C, Package Quantity=1, Power Rating=62.5mW, Resistance Tolerance=5%, Resistor Type="Thick Film", Supplier Part Number 1=311-4.7KJRCT-ND, Temperature Coefficient=100ppm/°C, Voltage Rating=50V, Case/Package=0402, Category="Chip SMD Resistors", Construction=Rectangular, Depth=0.5mm, Features="Moisture Resistant", Height=0.016inch, Lead Free="Lead Free", Length=0.039inch, Military Standard=Not, Number of Terminations=2, Packaging="Tape and Reel", Pricing 1="1=0.10000, 10=0.01200, 100=0.00480, 1000=0.00214, 2500=0.00186, 5000=0.00154 (USD)", Reach SVHC Compliant=Yes, RoHS=Yes, RoHS Compliant=Yes, Series=RC, Stock 1=26835683, Supplier 1=Digi-Key, Termination=SMD/SMT, Tolerance=5%, Width=0.02inch
R72: library part RES_RC0402FR-0710RL, "Res General Purpose Thick Film 0402 10 Ohm 1% 1/16W ±200ppm/°C Molded SMD Paper T/R", Case Code (Imperial)=0402, Case Code (Metric)=1005, Manufacturer=Yageo, Manufacturer Part Number=RC0402FR-0710RL, Max Operating Temperature=155°C, Max Power Dissipation=63mW, Min Operating Temperature=-55°C, Power Rating=62.5mW, Resistance Tolerance=1%, Resistor Type="Thick Film", Supplier Part Number 1=311-10.0LRCT-ND, Temperature Coefficient=200ppm/°C, Voltage Rating=50V, Case/Package=0402, Category="Chip SMD Resistors", ComponentLink1Description=https://datasheet.ciiva.com/46394/1018594-46394954.pdf?src-supplier=Element14, ComponentLink1URL=https://datasheet.ciiva.com/46394/1018594-46394954.pdf?src-supplier=Element14, ComponentLink2Description=https://datasheet.ciiva.com/7849/1018594-7849818.pdf?src-supplier=Element14, ComponentLink2URL=https://datasheet.ciiva.com/7849/1018594-7849818.pdf?src-supplier=Element14, ComponentLink3Description=https://datasheet.ciiva.com/7849/1018594-7849819.pdf?src-supplier=Element14, ComponentLink3URL=https://datasheet.ciiva.com/7849/1018594-7849819.pdf?src-supplier=Element14, ComponentLink4Description=https://datasheet.ciiva.com/15189/getdatasheetpartid-323697-15189339.pdf?src-supplier=Verical, ComponentLink4URL=https://datasheet.ciiva.com/15189/getdatasheetpartid-323697-15189339.pdf?src-supplier=Verical, Construction=Rectangular, Depth=0.5mm, Features="Moisture Resistant", Height=0.32mm, Lead Free="Lead Free", Length=1mm, Military Standard=Not, Number of Terminations=2, Packaging="Tape and Reel", Pricing 1="1=0.10000, 10=0.02200, 100=0.00880, 1000=0.00396, 2500=0.00344, 5000=0.00284 (USD)", Reach SVHC Compliant=Yes, RoHS=Yes, RoHS Compliant=Yes, Series=RC, Stock 1=6576941, Supplier 1=Digi-Key, Technology="THICK FILM", Termination=SMD/SMT, Tolerance=1%, Working Voltage=50V